# EAGLE board working (EAGLE 7.5.0), part 2 of 8 (continued)
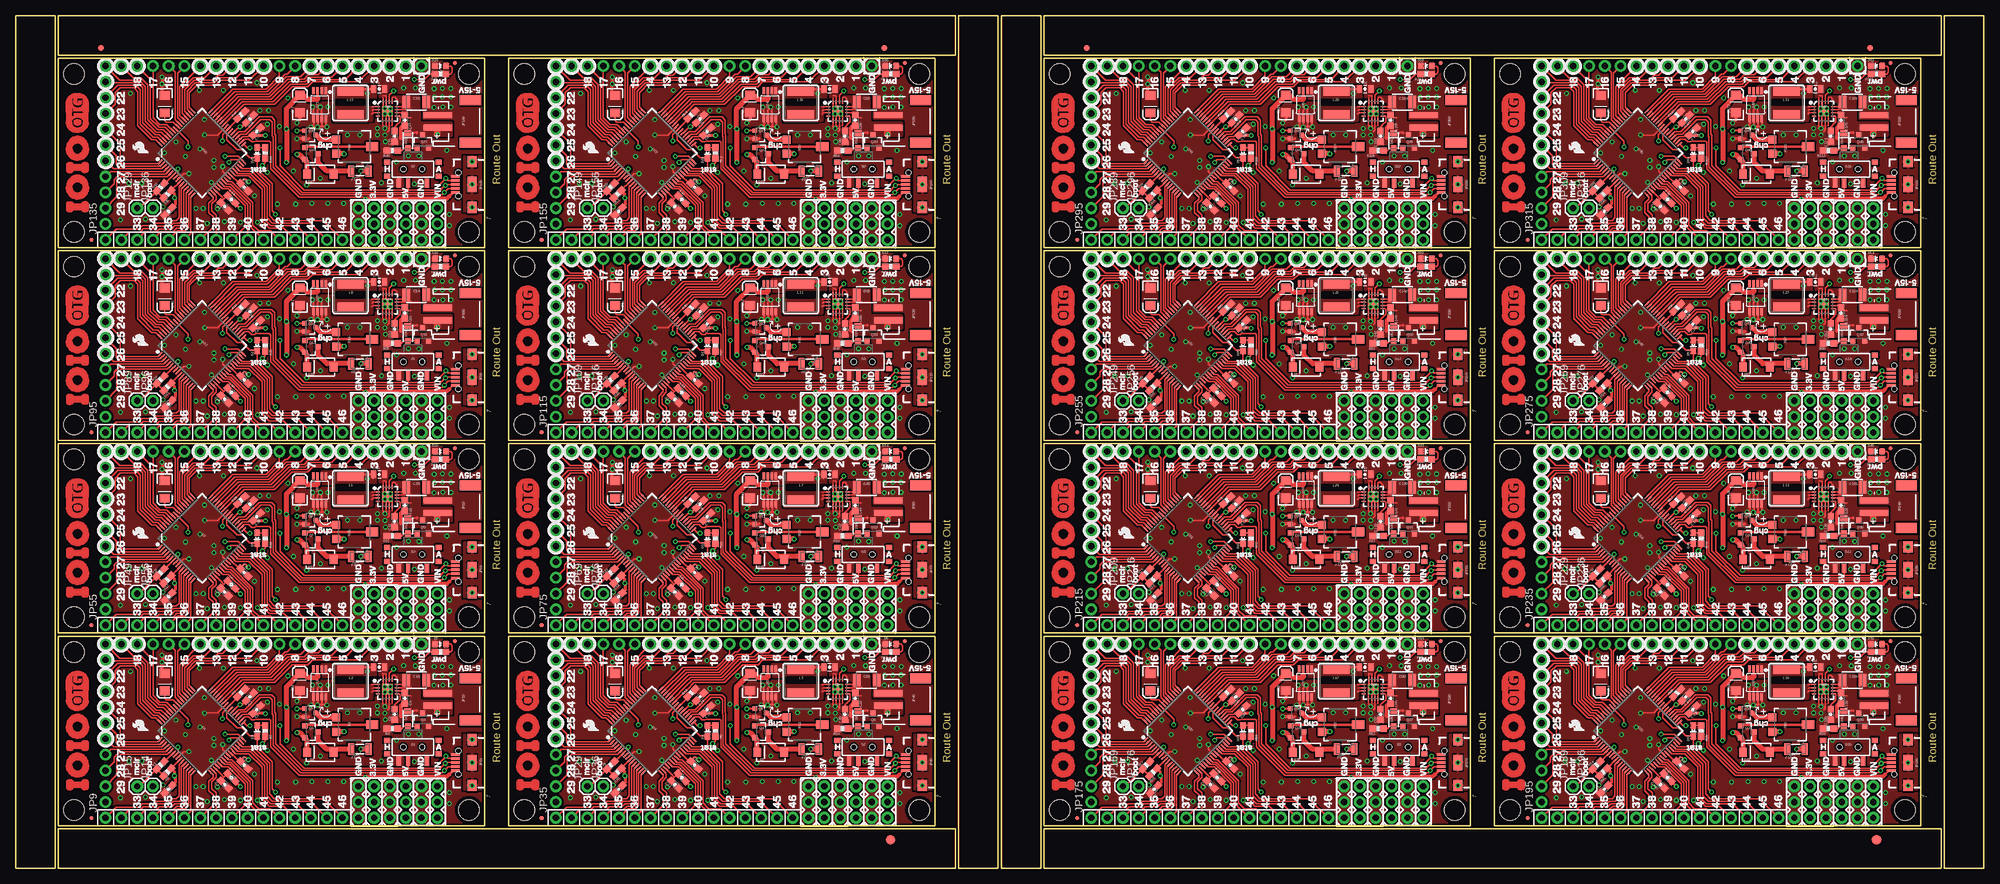
[diagram p0: board, top side]
## Placement (x,y rotation side) (continued)
JP301  [1X03]  288.54,106.17 270 top
JP302  [1X03]  291.08,106.17 270 top
JP303  [1X03]  293.62,106.17 270 top
JP304  STAND-OFF  [STAND-OFF]  303.78,127.76 0 top
JP305  STAND-OFF  [STAND-OFF]  303.78,102.36 0 top
JP306  STAND-OFF  [STAND-OFF]  240.28,127.76 0 top
JP307  STAND-OFF  [STAND-OFF]  240.28,102.36 0 top
JP308  [1X03]  296.16,106.17 270 top
JP309  [1X01]  250.44,106.17 0 top
JP310  [1X03]  286,101.09 90 top
JP311  [1X16_NO_SILK]  283.46,101.09 180 top
JP312  [1X19_NO_SILK]  293.62,129.03 180 top
JP313  [1X03]  298.7,101.09 90 top
JP314  [1X01]  296.16,129.03 0 top
JP315  [1X11_NO_SILK]  245.36,103.63 90 top
JP316  [1X01]  252.98,106.17 0 top
JP317  FIDUCIALUFIDUCIAL  [MICRO-FIDUCIAL]  243.08,101.09 0 top
JP318  FIDUCIALUFIDUCIAL  [MICRO-FIDUCIAL]  301.5,129.54 0 top
JP319  AB MICRO USB  [USB-AB-MICRO-SMD_V03]  304.29,109.98 180 top
JP320  JST  [JST-2-SMD]  302.51,120.14 270 top
L1  30Ohm,1.8A  [0603]  34.73,14.63 315 top
L2  VLC5045T-3R3N  [CR54]  53.86,30.13 180 top
L3  VLC5045T-3R3N  [CR54]  126.25,30.13 180 top
L4  30Ohm,1.8A  [0603]  107.12,14.63 315 top
L5  VLC5045T-3R3N  [CR54]  53.86,61.12 180 top
L6  30Ohm,1.8A  [0603]  34.73,45.61 315 top
L7  VLC5045T-3R3N  [CR54]  126.25,61.12 180 top
L8  30Ohm,1.8A  [0603]  107.12,45.61 315 top
L9  VLC5045T-3R3N  [CR54]  53.86,92.11 180 top
L10  30Ohm,1.8A  [0603]  34.73,76.6 315 top
L11  VLC5045T-3R3N  [CR54]  126.25,92.11 180 top
L12  30Ohm,1.8A  [0603]  107.12,76.6 315 top
L13  VLC5045T-3R3N  [CR54]  53.86,123.1 180 top
L14  30Ohm,1.8A  [0603]  34.73,107.59 315 top
L15  VLC5045T-3R3N  [CR54]  126.25,123.1 180 top
L16  30Ohm,1.8A  [0603]  107.12,107.59 315 top
L17  VLC5045T-3R3N  [CR54]  212.36,30.13 180 top
L18  30Ohm,1.8A  [0603]  193.23,14.63 315 top
L19  VLC5045T-3R3N  [CR54]  284.75,30.13 180 top
L20  30Ohm,1.8A  [0603]  265.62,14.63 315 top
L21  VLC5045T-3R3N  [CR54]  212.36,61.12 180 top
L22  30Ohm,1.8A  [0603]  193.23,45.61 315 top
L23  VLC5045T-3R3N  [CR54]  284.75,61.12 180 top
L24  30Ohm,1.8A  [0603]  265.62,45.61 315 top
L25  VLC5045T-3R3N  [CR54]  212.36,92.11 180 top
L26  30Ohm,1.8A  [0603]  193.23,76.6 315 top
L27  VLC5045T-3R3N  [CR54]  284.75,92.11 180 top
L28  30Ohm,1.8A  [0603]  265.62,76.6 315 top
L29  VLC5045T-3R3N  [CR54]  212.36,123.1 180 top
L30  30Ohm,1.8A  [0603]  193.23,107.59 315 top
L31  VLC5045T-3R3N  [CR54]  284.75,123.1 180 top
L32  30Ohm,1.8A  [0603]  265.62,107.59 315 top
LOGO1  OSHW-LOGOS  [OSHW-LOGO-S]  73.28,22.1 270 bottom
LOGO2  SFE_LOGO_NAME_FLAME.1_INCH  [SFE_LOGO_NAME_FLAME_.1]  12.57,28.45 270 bottom
LOGO3  SFE_LOGO_FLAME.1_INCH  [SFE_LOGO_FLAME_.1]  21.72,21.84 90 top
LOGO4  OSHW-LOGOS  [OSHW-LOGO-S]  145.67,22.1 270 bottom
LOGO5  SFE_LOGO_NAME_FLAME.1_INCH  [SFE_LOGO_NAME_FLAME_.1]  84.96,28.45 270 bottom
LOGO6  SFE_LOGO_FLAME.1_INCH  [SFE_LOGO_FLAME_.1]  94.11,21.84 90 top
LOGO7  OSHW-LOGOS  [OSHW-LOGO-S]  73.28,53.09 270 bottom
LOGO8  SFE_LOGO_NAME_FLAME.1_INCH  [SFE_LOGO_NAME_FLAME_.1]  12.57,59.44 270 bottom
LOGO9  SFE_LOGO_FLAME.1_INCH  [SFE_LOGO_FLAME_.1]  21.72,52.83 90 top
LOGO10  OSHW-LOGOS  [OSHW-LOGO-S]  145.67,53.09 270 bottom
LOGO11  SFE_LOGO_NAME_FLAME.1_INCH  [SFE_LOGO_NAME_FLAME_.1]  84.96,59.44 270 bottom
LOGO12  SFE_LOGO_FLAME.1_INCH  [SFE_LOGO_FLAME_.1]  94.11,52.83 90 top
LOGO13  OSHW-LOGOS  [OSHW-LOGO-S]  73.28,84.07 270 bottom
LOGO14  SFE_LOGO_NAME_FLAME.1_INCH  [SFE_LOGO_NAME_FLAME_.1]  12.57,90.42 270 bottom
LOGO15  SFE_LOGO_FLAME.1_INCH  [SFE_LOGO_FLAME_.1]  21.72,83.82 90 top
LOGO16  OSHW-LOGOS  [OSHW-LOGO-S]  145.67,84.07 270 bottom
LOGO17  SFE_LOGO_NAME_FLAME.1_INCH  [SFE_LOGO_NAME_FLAME_.1]  84.96,90.42 270 bottom
LOGO18  SFE_LOGO_FLAME.1_INCH  [SFE_LOGO_FLAME_.1]  94.11,83.82 90 top
LOGO19  OSHW-LOGOS  [OSHW-LOGO-S]  73.28,115.06 270 bottom
LOGO20  SFE_LOGO_NAME_FLAME.1_INCH  [SFE_LOGO_NAME_FLAME_.1]  12.57,121.41 270 bottom
LOGO21  SFE_LOGO_FLAME.1_INCH  [SFE_LOGO_FLAME_.1]  21.72,114.81 90 top
LOGO22  OSHW-LOGOS  [OSHW-LOGO-S]  145.67,115.06 270 bottom
LOGO23  SFE_LOGO_NAME_FLAME.1_INCH  [SFE_LOGO_NAME_FLAME_.1]  84.96,121.41 270 bottom
LOGO24  SFE_LOGO_FLAME.1_INCH  [SFE_LOGO_FLAME_.1]  94.11,114.81 90 top
LOGO25  OSHW-LOGOS  [OSHW-LOGO-S]  231.78,22.1 270 bottom
LOGO26  SFE_LOGO_NAME_FLAME.1_INCH  [SFE_LOGO_NAME_FLAME_.1]  171.07,28.45 270 bottom
LOGO27  SFE_LOGO_FLAME.1_INCH  [SFE_LOGO_FLAME_.1]  180.21,21.84 90 top
LOGO28  OSHW-LOGOS  [OSHW-LOGO-S]  304.17,22.1 270 bottom
LOGO29  SFE_LOGO_NAME_FLAME.1_INCH  [SFE_LOGO_NAME_FLAME_.1]  243.46,28.45 270 bottom
LOGO30  SFE_LOGO_FLAME.1_INCH  [SFE_LOGO_FLAME_.1]  252.6,21.84 90 top
LOGO31  OSHW-LOGOS  [OSHW-LOGO-S]  231.78,53.09 270 bottom
LOGO32  SFE_LOGO_NAME_FLAME.1_INCH  [SFE_LOGO_NAME_FLAME_.1]  171.07,59.44 270 bottom
LOGO33  SFE_LOGO_FLAME.1_INCH  [SFE_LOGO_FLAME_.1]  180.21,52.83 90 top
LOGO34  OSHW-LOGOS  [OSHW-LOGO-S]  304.17,53.09 270 bottom
LOGO35  SFE_LOGO_NAME_FLAME.1_INCH  [SFE_LOGO_NAME_FLAME_.1]  243.46,59.44 270 bottom
LOGO36  SFE_LOGO_FLAME.1_INCH  [SFE_LOGO_FLAME_.1]  252.6,52.83 90 top
LOGO37  OSHW-LOGOS  [OSHW-LOGO-S]  231.78,84.07 270 bottom
LOGO38  SFE_LOGO_NAME_FLAME.1_INCH  [SFE_LOGO_NAME_FLAME_.1]  171.07,90.42 270 bottom
LOGO39  SFE_LOGO_FLAME.1_INCH  [SFE_LOGO_FLAME_.1]  180.21,83.82 90 top
LOGO40  OSHW-LOGOS  [OSHW-LOGO-S]  304.17,84.07 270 bottom
LOGO41  SFE_LOGO_NAME_FLAME.1_INCH  [SFE_LOGO_NAME_FLAME_.1]  243.46,90.42 270 bottom
LOGO42  SFE_LOGO_FLAME.1_INCH  [SFE_LOGO_FLAME_.1]  252.6,83.82 90 top
LOGO43  OSHW-LOGOS  [OSHW-LOGO-S]  231.78,115.06 270 bottom
LOGO44  SFE_LOGO_NAME_FLAME.1_INCH  [SFE_LOGO_NAME_FLAME_.1]  171.07,121.41 270 bottom
LOGO45  SFE_LOGO_FLAME.1_INCH  [SFE_LOGO_FLAME_.1]  180.21,114.81 90 top
LOGO46  OSHW-LOGOS  [OSHW-LOGO-S]  304.17,115.06 270 bottom
LOGO47  SFE_LOGO_NAME_FLAME.1_INCH  [SFE_LOGO_NAME_FLAME_.1]  243.46,121.41 270 bottom
LOGO48  SFE_LOGO_FLAME.1_INCH  [SFE_LOGO_FLAME_.1]  252.6,114.81 90 top
Q1  IRLML2244  [SOT23-3]  47.5,21.97 270 top
Q2  2N7002PW  [SOT323]  47.37,25.02 270 top
Q3  MOSFET-NCHANNELAO3404A  [SOT23-3]  65.48,23.88 0 top
Q4  IRLML2244  [SOT23-3]  119.89,21.97 270 top
Q5  2N7002PW  [SOT323]  119.76,25.02 270 top
Q6  MOSFET-NCHANNELAO3404A  [SOT23-3]  137.87,23.88 0 top
Q7  IRLML2244  [SOT23-3]  47.5,52.96 270 top
Q8  2N7002PW  [SOT323]  47.37,56.01 270 top
Q9  MOSFET-NCHANNELAO3404A  [SOT23-3]  65.48,54.86 0 top
Q10  IRLML2244  [SOT23-3]  119.89,52.96 270 top
Q11  2N7002PW  [SOT323]  119.76,56.01 270 top
Q12  MOSFET-NCHANNELAO3404A  [SOT23-3]  137.87,54.86 0 top
Q13  IRLML2244  [SOT23-3]  47.5,83.95 270 top
Q14  2N7002PW  [SOT323]  47.37,87 270 top
Q15  MOSFET-NCHANNELAO3404A  [SOT23-3]  65.48,85.85 0 top
Q16  IRLML2244  [SOT23-3]  119.89,83.95 270 top
Q17  2N7002PW  [SOT323]  119.76,87 270 top
Q18  MOSFET-NCHANNELAO3404A  [SOT23-3]  137.87,85.85 0 top
Q19  IRLML2244  [SOT23-3]  47.5,114.94 270 top
Q20  2N7002PW  [SOT323]  47.37,117.98 270 top
Q21  MOSFET-NCHANNELAO3404A  [SOT23-3]  65.48,116.84 0 top
Q22  IRLML2244  [SOT23-3]  119.89,114.94 270 top
Q23  2N7002PW  [SOT323]  119.76,117.98 270 top
Q24  MOSFET-NCHANNELAO3404A  [SOT23-3]  137.87,116.84 0 top
Q25  IRLML2244  [SOT23-3]  205.99,21.97 270 top
Q26  2N7002PW  [SOT323]  205.87,25.02 270 top
Q27  MOSFET-NCHANNELAO3404A  [SOT23-3]  223.98,23.88 0 top
Q28  IRLML2244  [SOT23-3]  278.38,21.97 270 top
Q29  2N7002PW  [SOT323]  278.26,25.02 270 top
Q30  MOSFET-NCHANNELAO3404A  [SOT23-3]  296.37,23.88 0 top
Q31  IRLML2244  [SOT23-3]  205.99,52.96 270 top
Q32  2N7002PW  [SOT323]  205.87,56.01 270 top
Q33  MOSFET-NCHANNELAO3404A  [SOT23-3]  223.98,54.86 0 top
Q34  IRLML2244  [SOT23-3]  278.38,52.96 270 top
Q35  2N7002PW  [SOT323]  278.26,56.01 270 top
Q36  MOSFET-NCHANNELAO3404A  [SOT23-3]  296.37,54.86 0 top
Q37  IRLML2244  [SOT23-3]  205.99,83.95 270 top
Q38  2N7002PW  [SOT323]  205.87,87 270 top
Q39  MOSFET-NCHANNELAO3404A  [SOT23-3]  223.98,85.85 0 top
Q40  IRLML2244  [SOT23-3]  278.38,83.95 270 top
Q41  2N7002PW  [SOT323]  278.26,87 270 top
Q42  MOSFET-NCHANNELAO3404A  [SOT23-3]  296.37,85.85 0 top
Q43  IRLML2244  [SOT23-3]  205.99,114.94 270 top
Q44  2N7002PW  [SOT323]  205.87,117.98 270 top
Q45  MOSFET-NCHANNELAO3404A  [SOT23-3]  223.98,116.84 0 top
Q46  IRLML2244  [SOT23-3]  278.38,114.94 270 top
Q47  2N7002PW  [SOT323]  278.26,117.98 270 top
Q48  MOSFET-NCHANNELAO3404A  [SOT23-3]  296.37,116.84 0 top
R1  10K  [0603-RES]  24.41,15.47 45 top
R2  100k  [0603-RES]  36.27,28.22 45 top
R3  TS53YL502MR10  [TRIMPOT_5MM]  54.1,23.11 270 top
R4  3.3k  [0603-RES]  60.59,22.47 180 top
R5  10K  [0603-RES]  96.8,15.47 45 top
R6  750  [0603-RES]  112.52,22.1 270 top
R7  750  [0603-RES]  40.13,22.1 270 top
R8  470  [0603-RES]  23.29,16.59 225 top
R9  1.6K  [0603-RES]  68.33,34.8 180 top
R10  470  [0603-RES]  95.68,16.59 225 top
R11  1.6K  [0603-RES]  140.72,34.8 180 top
R12  100k  [0603-RES]  108.66,28.22 45 top
R13  TS53YL502MR10  [TRIMPOT_5MM]  126.49,23.11 270 top
R14  3.3k  [0603-RES]  132.98,22.47 180 top
R15  10K  [0603-RES]  24.41,46.46 45 top
R16  750  [0603-RES]  40.13,53.09 270 top
R17  470  [0603-RES]  23.29,47.57 225 top
R18  1.6K  [0603-RES]  68.33,65.79 180 top
R19  100k  [0603-RES]  36.27,59.21 45 top
R20  TS53YL502MR10  [TRIMPOT_5MM]  54.1,54.1 270 top
R21  3.3k  [0603-RES]  60.59,53.46 180 top
R22  10K  [0603-RES]  96.8,46.46 45 top
R23  750  [0603-RES]  112.52,53.09 270 top
R24  470  [0603-RES]  95.68,47.57 225 top
R25  1.6K  [0603-RES]  140.72,65.79 180 top
R26  100k  [0603-RES]  108.66,59.21 45 top
R27  TS53YL502MR10  [TRIMPOT_5MM]  126.49,54.1 270 top
R28  3.3k  [0603-RES]  132.98,53.46 180 top
R29  10K  [0603-RES]  24.41,77.44 45 top
R30  750  [0603-RES]  40.13,84.07 270 top
R31  470  [0603-RES]  23.29,78.56 225 top
R32  1.6K  [0603-RES]  68.33,96.77 180 top
R33  100k  [0603-RES]  36.27,90.2 45 top
R34  TS53YL502MR10  [TRIMPOT_5MM]  54.1,85.09 270 top
R35  3.3k  [0603-RES]  60.59,84.45 180 top
R36  10K  [0603-RES]  96.8,77.44 45 top
R37  750  [0603-RES]  112.52,84.07 270 top
R38  470  [0603-RES]  95.68,78.56 225 top
R39  1.6K  [0603-RES]  140.72,96.77 180 top
R40  100k  [0603-RES]  108.66,90.2 45 top
R41  TS53YL502MR10  [TRIMPOT_5MM]  126.49,85.09 270 top
R42  3.3k  [0603-RES]  132.98,84.45 180 top
R43  10K  [0603-RES]  24.41,108.43 45 top
R44  750  [0603-RES]  40.13,115.06 270 top
R45  470  [0603-RES]  23.29,109.55 225 top
R46  1.6K  [0603-RES]  68.33,127.76 180 top
R47  100k  [0603-RES]  36.27,121.18 45 top
R48  TS53YL502MR10  [TRIMPOT_5MM]  54.1,116.08 270 top
R49  3.3k  [0603-RES]  60.59,115.44 180 top
R50  10K  [0603-RES]  96.8,108.43 45 top
R51  750  [0603-RES]  112.52,115.06 270 top
R52  470  [0603-RES]  95.68,109.55 225 top
R53  1.6K  [0603-RES]  140.72,127.76 180 top
R54  100k  [0603-RES]  108.66,121.18 45 top
R55  TS53YL502MR10  [TRIMPOT_5MM]  126.49,116.08 270 top
R56  3.3k  [0603-RES]  132.98,115.44 180 top
R57  10K  [0603-RES]  182.91,15.47 45 top
R58  750  [0603-RES]  198.63,22.1 270 top
R59  470  [0603-RES]  181.79,16.59 225 top
R60  1.6K  [0603-RES]  226.82,34.8 180 top
R61  100k  [0603-RES]  194.77,28.22 45 top
R62  TS53YL502MR10  [TRIMPOT_5MM]  212.6,23.11 270 top
R63  3.3k  [0603-RES]  219.09,22.47 180 top
R64  10K  [0603-RES]  255.3,15.47 45 top
R65  750  [0603-RES]  271.02,22.1 270 top
R66  470  [0603-RES]  254.18,16.59 225 top
R67  1.6K  [0603-RES]  299.21,34.8 180 top
R68  100k  [0603-RES]  267.16,28.22 45 top
R69  TS53YL502MR10  [TRIMPOT_5MM]  284.99,23.11 270 top
R70  3.3k  [0603-RES]  291.48,22.47 180 top
R71  10K  [0603-RES]  182.91,46.46 45 top
R72  750  [0603-RES]  198.63,53.09 270 top
R73  470  [0603-RES]  181.79,47.57 225 top
R74  1.6K  [0603-RES]  226.82,65.79 180 top
R75  100k  [0603-RES]  194.77,59.21 45 top
R76  TS53YL502MR10  [TRIMPOT_5MM]  212.6,54.1 270 top
R77  3.3k  [0603-RES]  219.09,53.46 180 top
R78  10K  [0603-RES]  255.3,46.46 45 top
R79  750  [0603-RES]  271.02,53.09 270 top
R80  470  [0603-RES]  254.18,47.57 225 top
R81  1.6K  [0603-RES]  299.21,65.79 180 top
R82  100k  [0603-RES]  267.16,59.21 45 top
R83  TS53YL502MR10  [TRIMPOT_5MM]  284.99,54.1 270 top
R84  3.3k  [0603-RES]  291.48,53.46 180 top
R85  10K  [0603-RES]  182.91,77.44 45 top
R86  750  [0603-RES]  198.63,84.07 270 top
R87  470  [0603-RES]  181.79,78.56 225 top
R88  1.6K  [0603-RES]  226.82,96.77 180 top
R89  100k  [0603-RES]  194.77,90.2 45 top
R90  TS53YL502MR10  [TRIMPOT_5MM]  212.6,85.09 270 top
R91  3.3k  [0603-RES]  219.09,84.45 180 top
R92  10K  [0603-RES]  255.3,77.44 45 top
R93  750  [0603-RES]  271.02,84.07 270 top
R94  470  [0603-RES]  254.18,78.56 225 top
R95  1.6K  [0603-RES]  299.21,96.77 180 top
R96  100k  [0603-RES]  267.16,90.2 45 top
R97  TS53YL502MR10  [TRIMPOT_5MM]  284.99,85.09 270 top
R98  3.3k  [0603-RES]  291.48,84.45 180 top
R99  10K  [0603-RES]  182.91,108.43 45 top
R100  750  [0603-RES]  198.63,115.06 270 top
R101  470  [0603-RES]  181.79,109.55 225 top
R102  1.6K  [0603-RES]  226.82,127.76 180 top
R103  100k  [0603-RES]  194.77,121.18 45 top
R104  TS53YL502MR10  [TRIMPOT_5MM]  212.6,116.08 270 top
R105  3.3k  [0603-RES]  219.09,115.44 180 top
R106  10K  [0603-RES]  255.3,108.43 45 top
R107  750  [0603-RES]  271.02,115.06 270 top
R108  470  [0603-RES]  254.18,109.55 225 top
R109  1.6K  [0603-RES]  299.21,127.76 180 top
R110  100k  [0603-RES]  267.16,121.18 45 top
R111  TS53YL502MR10  [TRIMPOT_5MM]  284.99,116.08 270 top
R112  3.3k  [0603-RES]  291.48,115.44 180 top
S1  SWITCH_SPDT  [KPS-1290]  63.88,19.49 180 top
S2  SWITCH_SPDT  [KPS-1290]  136.27,19.49 180 top
S3  SWITCH_SPDT  [KPS-1290]  63.88,50.48 180 top
S4  SWITCH_SPDT  [KPS-1290]  136.27,50.48 180 top
S5  SWITCH_SPDT  [KPS-1290]  63.88,81.47 180 top
S6  SWITCH_SPDT  [KPS-1290]  136.27,81.47 180 top
S7  SWITCH_SPDT  [KPS-1290]  63.88,112.46 180 top
S8  SWITCH_SPDT  [KPS-1290]  136.27,112.46 180 top
S9  SWITCH_SPDT  [KPS-1290]  222.38,19.49 180 top
S10  SWITCH_SPDT  [KPS-1290]  294.77,19.49 180 top
S11  SWITCH_SPDT  [KPS-1290]  222.38,50.48 180 top
S12  SWITCH_SPDT  [KPS-1290]  294.77,50.48 180 top
S13  SWITCH_SPDT  [KPS-1290]  222.38,81.47 180 top
S14  SWITCH_SPDT  [KPS-1290]  294.77,81.47 180 top
S15  SWITCH_SPDT  [KPS-1290]  222.38,112.46 180 top
S16  SWITCH_SPDT  [KPS-1290]  294.77,112.46 180 top
TP1  TEST-POINT3  [PAD.03X.03]  72.52,19.43 0 bottom
TP2  TEST-POINT3  [PAD.03X.03]  72.26,17.14 0 bottom
TP3  TEST-POINT3  [PAD.03X.03]  72.52,14.86 0 bottom
TP4  TEST-POINT3  [PAD.03X.03]  144.91,19.43 0 bottom
TP5  TEST-POINT3  [PAD.03X.03]  144.65,17.14 0 bottom
TP6  TEST-POINT3  [PAD.03X.03]  144.91,14.86 0 bottom
TP7  TEST-POINT3  [PAD.03X.03]  72.52,50.42 0 bottom
TP8  TEST-POINT3  [PAD.03X.03]  72.26,48.13 0 bottom
TP9  TEST-POINT3  [PAD.03X.03]  72.52,45.85 0 bottom
TP10  TEST-POINT3  [PAD.03X.03]  144.91,50.42 0 bottom
TP11  TEST-POINT3  [PAD.03X.03]  144.65,48.13 0 bottom
TP12  TEST-POINT3  [PAD.03X.03]  144.91,45.85 0 bottom
TP13  TEST-POINT3  [PAD.03X.03]  72.52,81.41 0 bottom
TP14  TEST-POINT3  [PAD.03X.03]  72.26,79.12 0 bottom
TP15  TEST-POINT3  [PAD.03X.03]  72.52,76.83 0 bottom
TP16  TEST-POINT3  [PAD.03X.03]  144.91,81.41 0 bottom
TP17  TEST-POINT3  [PAD.03X.03]  144.65,79.12 0 bottom
TP18  TEST-POINT3  [PAD.03X.03]  144.91,76.83 0 bottom
TP19  TEST-POINT3  [PAD.03X.03]  72.52,112.39 0 bottom
TP20  TEST-POINT3  [PAD.03X.03]  72.26,110.11 0 bottom
TP21  TEST-POINT3  [PAD.03X.03]  72.52,107.82 0 bottom
TP22  TEST-POINT3  [PAD.03X.03]  144.91,112.39 0 bottom
TP23  TEST-POINT3  [PAD.03X.03]  144.65,110.11 0 bottom
TP24  TEST-POINT3  [PAD.03X.03]  144.91,107.82 0 bottom
TP25  TEST-POINT3  [PAD.03X.03]  231.01,19.43 0 bottom
TP26  TEST-POINT3  [PAD.03X.03]  230.76,17.14 0 bottom
TP27  TEST-POINT3  [PAD.03X.03]  231.01,14.86 0 bottom
TP28  TEST-POINT3  [PAD.03X.03]  303.4,19.43 0 bottom
TP29  TEST-POINT3  [PAD.03X.03]  303.15,17.14 0 bottom
TP30  TEST-POINT3  [PAD.03X.03]  303.4,14.86 0 bottom
TP31  TEST-POINT3  [PAD.03X.03]  231.01,50.42 0 bottom
TP32  TEST-POINT3  [PAD.03X.03]  230.76,48.13 0 bottom
TP33  TEST-POINT3  [PAD.03X.03]  231.01,45.85 0 bottom
TP34  TEST-POINT3  [PAD.03X.03]  303.4,50.42 0 bottom
TP35  TEST-POINT3  [PAD.03X.03]  303.15,48.13 0 bottom
TP36  TEST-POINT3  [PAD.03X.03]  303.4,45.85 0 bottom
TP37  TEST-POINT3  [PAD.03X.03]  231.01,81.41 0 bottom
TP38  TEST-POINT3  [PAD.03X.03]  230.76,79.12 0 bottom
TP39  TEST-POINT3  [PAD.03X.03]  231.01,76.83 0 bottom
TP40  TEST-POINT3  [PAD.03X.03]  303.4,81.41 0 bottom
TP41  TEST-POINT3  [PAD.03X.03]  303.15,79.12 0 bottom
TP42  TEST-POINT3  [PAD.03X.03]  303.4,76.83 0 bottom
TP43  TEST-POINT3  [PAD.03X.03]  231.01,112.39 0 bottom
TP44  TEST-POINT3  [PAD.03X.03]  230.76,110.11 0 bottom
TP45  TEST-POINT3  [PAD.03X.03]  231.01,107.82 0 bottom
TP46  TEST-POINT3  [PAD.03X.03]  303.4,112.39 0 bottom
TP47  TEST-POINT3  [PAD.03X.03]  303.15,110.11 0 bottom
TP48  TEST-POINT3  [PAD.03X.03]  303.4,107.82 0 bottom
U1  PIC24FJ256GB206  [PIC24FXXX_TQFP64]  29.97,22.1 315 top
U2  TPS62133RGTT  [QFN16-3X3MM_1:1_V03]  59.82,28.81 0 top
U3  MIC5216  [MSOP8]  48.9,29.84 180 top
U4  PIC24FJ256GB206  [PIC24FXXX_TQFP64]  102.36,22.1 315 top
U5  TPS62133RGTT  [QFN16-3X3MM_1:1_V03]  132.21,28.81 0 top
U6  MIC5216  [MSOP8]  121.28,29.84 180 top
U7  PIC24FJ256GB206  [PIC24FXXX_TQFP64]  29.97,53.09 315 top
U8  TPS62133RGTT  [QFN16-3X3MM_1:1_V03]  59.82,59.8 0 top
U9  MIC5216  [MSOP8]  48.9,60.83 180 top
U10  PIC24FJ256GB206  [PIC24FXXX_TQFP64]  102.36,53.09 315 top
U11  TPS62133RGTT  [QFN16-3X3MM_1:1_V03]  132.21,59.8 0 top
U12  MIC5216  [MSOP8]  121.28,60.83 180 top
U13  PIC24FJ256GB206  [PIC24FXXX_TQFP64]  29.97,84.07 315 top
U14  TPS62133RGTT  [QFN16-3X3MM_1:1_V03]  59.82,90.78 0 top
U15  MIC5216  [MSOP8]  48.9,91.82 180 top
U16  PIC24FJ256GB206  [PIC24FXXX_TQFP64]  102.36,84.07 315 top
U17  TPS62133RGTT  [QFN16-3X3MM_1:1_V03]  132.21,90.78 0 top
U18  MIC5216  [MSOP8]  121.28,91.82 180 top
U19  PIC24FJ256GB206  [PIC24FXXX_TQFP64]  29.97,115.06 315 top
U20  TPS62133RGTT  [QFN16-3X3MM_1:1_V03]  59.82,121.77 0 top
U21  MIC5216  [MSOP8]  48.9,122.81 180 top
U22  PIC24FJ256GB206  [PIC24FXXX_TQFP64]  102.36,115.06 315 top
U23  TPS62133RGTT  [QFN16-3X3MM_1:1_V03]  132.21,121.77 0 top
U24  MIC5216  [MSOP8]  121.28,122.81 180 top
U25  PIC24FJ256GB206  [PIC24FXXX_TQFP64]  188.47,22.1 315 top
U26  TPS62133RGTT  [QFN16-3X3MM_1:1_V03]  218.31,28.81 0 top
U27  MIC5216  [MSOP8]  207.39,29.84 180 top
U28  PIC24FJ256GB206  [PIC24FXXX_TQFP64]  260.86,22.1 315 top
U29  TPS62133RGTT  [QFN16-3X3MM_1:1_V03]  290.7,28.81 0 top
U30  MIC5216  [MSOP8]  279.78,29.84 180 top
U31  PIC24FJ256GB206  [PIC24FXXX_TQFP64]  188.47,53.09 315 top
U32  TPS62133RGTT  [QFN16-3X3MM_1:1_V03]  218.31,59.8 0 top
U33  MIC5216  [MSOP8]  207.39,60.83 180 top
U34  PIC24FJ256GB206  [PIC24FXXX_TQFP64]  260.86,53.09 315 top
U35  TPS62133RGTT  [QFN16-3X3MM_1:1_V03]  290.7,59.8 0 top
U36  MIC5216  [MSOP8]  279.78,60.83 180 top
U37  PIC24FJ256GB206  [PIC24FXXX_TQFP64]  188.47,84.07 315 top
U38  TPS62133RGTT  [QFN16-3X3MM_1:1_V03]  218.31,90.78 0 top
U39  MIC5216  [MSOP8]  207.39,91.82 180 top
U40  PIC24FJ256GB206  [PIC24FXXX_TQFP64]  260.86,84.07 315 top
U41  TPS62133RGTT  [QFN16-3X3MM_1:1_V03]  290.7,90.78 0 top
U42  MIC5216  [MSOP8]  279.78,91.82 180 top
U43  PIC24FJ256GB206  [PIC24FXXX_TQFP64]  188.47,115.06 315 top
U44  TPS62133RGTT  [QFN16-3X3MM_1:1_V03]  218.31,121.77 0 top
U45  MIC5216  [MSOP8]  207.39,122.81 180 top
U46  PIC24FJ256GB206  [PIC24FXXX_TQFP64]  260.86,115.06 315 top
U47  TPS62133RGTT  [QFN16-3X3MM_1:1_V03]  290.7,121.77 0 top
U48  MIC5216  [MSOP8]  279.78,122.81 180 top
U$1  IOIO-OTG  [IOIO-OTG-COPPER-EXPOSED]  84.07,12.57 90 top
U$2  IOIO-OTG  [IOIO-OTG-COPPER-EXPOSED]  11.68,43.56 90 top
U$3  IOIO-OTG  [IOIO-OTG-COPPER-EXPOSED]  84.07,43.56 90 top
U$4  IOIO-OTG  [IOIO-OTG-COPPER-EXPOSED]  11.68,74.55 90 top
U$5  IOIO-OTG  [IOIO-OTG-COPPER-EXPOSED]  84.07,74.55 90 top
U$6  IOIO-OTG  [IOIO-OTG-COPPER-EXPOSED]  11.68,12.57 90 top
U$7  IOIO-OTG  [IOIO-OTG-COPPER-EXPOSED]  11.68,105.54 90 top
U$8  IOIO-OTG  [IOIO-OTG-COPPER-EXPOSED]  84.07,105.54 90 top
U$9  IOIO-OTG  [IOIO-OTG-COPPER-EXPOSED]  170.18,12.57 90 top
U$10  IOIO-OTG  [IOIO-OTG-COPPER-EXPOSED]  242.57,12.57 90 top
U$11  IOIO-OTG  [IOIO-OTG-COPPER-EXPOSED]  170.18,43.56 90 top
U$12  IOIO-OTG  [IOIO-OTG-COPPER-EXPOSED]  242.57,43.56 90 top
U$13  IOIO-OTG  [IOIO-OTG-COPPER-EXPOSED]  170.18,74.55 90 top
U$14  IOIO-OTG  [IOIO-OTG-COPPER-EXPOSED]  242.57,74.55 90 top
U$15  IOIO-OTG  [IOIO-OTG-COPPER-EXPOSED]  170.18,105.54 90 top
U$16  IOIO-OTG  [IOIO-OTG-COPPER-EXPOSED]  242.57,105.54 90 top

## Library data of the parts
C1-C5 C9 C12-C15 C17 C22-C26 C28 C33-C37 C39 C44-C48 C50 C55-C59 C61 C66-C70 C72 C77-C81 C83 C88-C92 C94 C99-C103 C105 C110-C114 C116 C121-C125 C127 C132-C136 C138 C143-C147 C149 C154-C158 C160 C165-C169 C171 C176 = SparkFun-Capacitors; PROD_ID: CAP-00810
C6 C19 C30 C41 C52 C63 C74 C85 C96 C107 C118 C129 C140 C151 C162 C173 = SparkFun-Capacitors; PART#: LMK212BJ106KG-T; PROD_ID: CAP-11330
C7 C16 C27 C38 C49 C60 C71 C82 C93 C104 C115 C126 C137 C148 C159 C170 = SparkFun-Capacitors; PROD_ID: CAP-00811
C8 C20 C31 C42 C53 C64 C75 C86 C97 C108 C119 C130 C141 C152 C163 C174 = SparkFun-Capacitors; PROD_ID: CAP-09633
C10 C18 C29 C40 C51 C62 C73 C84 C95 C106 C117 C128 C139 C150 C161 C172 = SparkFun-Capacitors; PART#: TAJA106K016RNJ; PROD_ID: CAP-00811
C11 C21 C32 C43 C54 C65 C76 C87 C98 C109 C120 C131 C142 C153 C164 C175 = SparkFun-Capacitors; PART#: UMK325C7106MM-T; PROD_ID: CAP-09824
D1 D7 D11 D15 D19 D23 D27 D31 D35 D39 D43 D47 D51 D55 D59 D63 = SparkFun-DiscreteSemi; PART#: B340A; PROD_ID: DIO-09886
D2 D8 D12 D16 D20 D24 D28 D32 D36 D40 D44 D48 D52 D56 D60 D64 = SparkFun-DiscreteSemi; PART#: DZ2J150M0L; PROD_ID: DIO-12989
D3 D4 D9 D13 D17 D21 D25 D29 D33 D37 D41 D45 D49 D53 D57 D61 = SparkFun-LED; PROD_ID: DIO-11230
D5 D6 D10 D14 D18 D22 D26 D30 D34 D38 D42 D46 D50 D54 D58 D62 = SparkFun-LED; PROD_ID: DIO-11154
E$1 E$4 = SparkFun-Retired
E$2 E$3 E$7 E$8 LOGO1-LOGO48 U$1-U$16 = SparkFun-Aesthetics
F1-F16 = SparkFun-PowerIC; PART#: 0ZCA0075FF2G; PROD_ID: RES-11150
JP1-JP6 JP8 JP10-JP18 JP22-JP30 JP33 JP34 JP36-JP38 JP41-JP50 JP53 JP54 JP56-JP58 JP61-JP70 JP73 JP74 JP76-JP78 JP81-JP90 JP93 JP94 JP96-JP98 JP101-JP110 JP113 JP114 JP116-JP118 JP121-JP130 JP133 JP134 JP136-JP138 JP141-JP150 JP153 JP154 JP156-JP158 JP161-JP170 JP173 JP174 JP176-JP178 JP181-JP190 JP193 JP194 JP196-JP198 JP201-JP210 JP213 JP214 JP216-JP218 JP221-JP230 JP233 JP234 JP236-JP238 JP241-JP250 JP253 JP254 JP256-JP258 JP261-JP270 JP273 JP274 JP276-JP278 JP281-JP290 JP293 JP294 JP296-JP298 JP301-JP310 JP313 JP314 JP316-JP318 = SparkFun
JP7 JP9 JP20 JP31 JP32 JP35 JP51 JP52 JP55 JP71 JP72 JP75 JP91 JP92 JP95 JP111 JP112 JP115 JP131 JP132 JP135 JP151 JP152 JP155 JP171 JP172 JP175 JP191 JP192 JP195 JP211 JP212 JP215 JP231 JP232 JP235 JP251 JP252 JP255 JP271 JP272 JP275 JP291 JP292 JP295 JP311 JP312 JP315 = SparkFun-Connectors
JP19 JP40 JP60 JP80 JP100 JP120 JP140 JP160 JP180 JP200 JP220 JP240 JP260 JP280 JP300 JP320 = SparkFun-Connectors; BTM_NEG: -; BTM_POS: +; PROD_ID: CONN-11443; TOP_NEG: -; TOP_POS: +
JP21 JP39 JP59 JP79 JP99 JP119 JP139 JP159 JP179 JP199 JP219 JP239 JP259 JP279 JP299 JP319 = SparkFun-Connectors; PROD_ID: CONN-11794
L1 L4 L6 L8 L10 L12 L14 L16 L18 L20 L22 L24 L26 L28 L30 L32 = SparkFun-Passives; PROD_ID: RES-07859
L2 L3 L5 L7 L9 L11 L13 L15 L17 L19 L21 L23 L25 L27 L29 L31 = SparkFun-Passives; AM: 3.3uH; PROD_ID: NDUC-11157
Q1 Q4 Q7 Q10 Q13 Q16 Q19 Q22 Q25 Q28 Q31 Q34 Q37 Q40 Q43 Q46 = SparkFun-DiscreteSemi; PROD_ID: TRANS-11153
Q2 Q5 Q8 Q11 Q14 Q17 Q20 Q23 Q26 Q29 Q32 Q35 Q38 Q41 Q44 Q47 = SparkFun-DiscreteSemi; PART#: 2N7002PW; PROD_ID: TRANS-11151
Q3 Q6 Q9 Q12 Q15 Q18 Q21 Q24 Q27 Q30 Q33 Q36 Q39 Q42 Q45 Q48 = SparkFun-DiscreteSemi; PART#: AO3404A; PROD_ID: TRAN-12988
R1 R5 R15 R22 R29 R36 R43 R50 R57 R64 R71 R78 R85 R92 R99 R106 = SparkFun-Resistors; PROD_ID: RES-00824
R2 R12 R19 R26 R33 R40 R47 R54 R61 R68 R75 R82 R89 R96 R103 R110 = SparkFun-Resistors; PROD_ID: RES-07828
R3 R13 R20 R27 R34 R41 R48 R55 R62 R69 R76 R83 R90 R97 R104 R111 = SparkFun-Electromechanical; PART#: TS53YL502MR10; PROD_ID: RES-11156
R4 R14 R21 R28 R35 R42 R49 R56 R63 R70 R77 R84 R91 R98 R105 R112 = SparkFun-Resistors; PROD_ID: RES-07851
R6 R7 R16 R23 R30 R37 R44 R51 R58 R65 R72 R79 R86 R93 R100 R107 = SparkFun-Resistors; PROD_ID: RES-07824
R8 R10 R17 R24 R31 R38 R45 R52 R59 R66 R73 R80 R87 R94 R101 R108 = SparkFun-Resistors; PROD_ID: RES-07869
R9 R11 R18 R25 R32 R39 R46 R53 R60 R67 R74 R81 R88 R95 R102 R109 = SparkFun-Resistors; PROD_ID: RES-08361
S1-S16 = SparkFun-Electromechanical; PROD_ID: SWCH-10651
TP1-TP48 = SparkFun-Passives
U1 U4 U7 U10 U13 U16 U19 U22 U25 U28 U31 U34 U37 U40 U43 U46 = SparkFun-DigitalIC; PROD_ID: IC-11312
U2 U5 U8 U11 U14 U17 U20 U23 U26 U29 U32 U35 U38 U41 U44 U47 = SparkFun-PowerIC; PROD_ID: IC-11155
U3 U6 U9 U12 U15 U18 U21 U24 U27 U30 U33 U36 U39 U42 U45 U48 = SparkFun-PowerIC; PROD_ID: IC-09527